# KiCad board oresat-acs-card.kicad_pcb (continued)
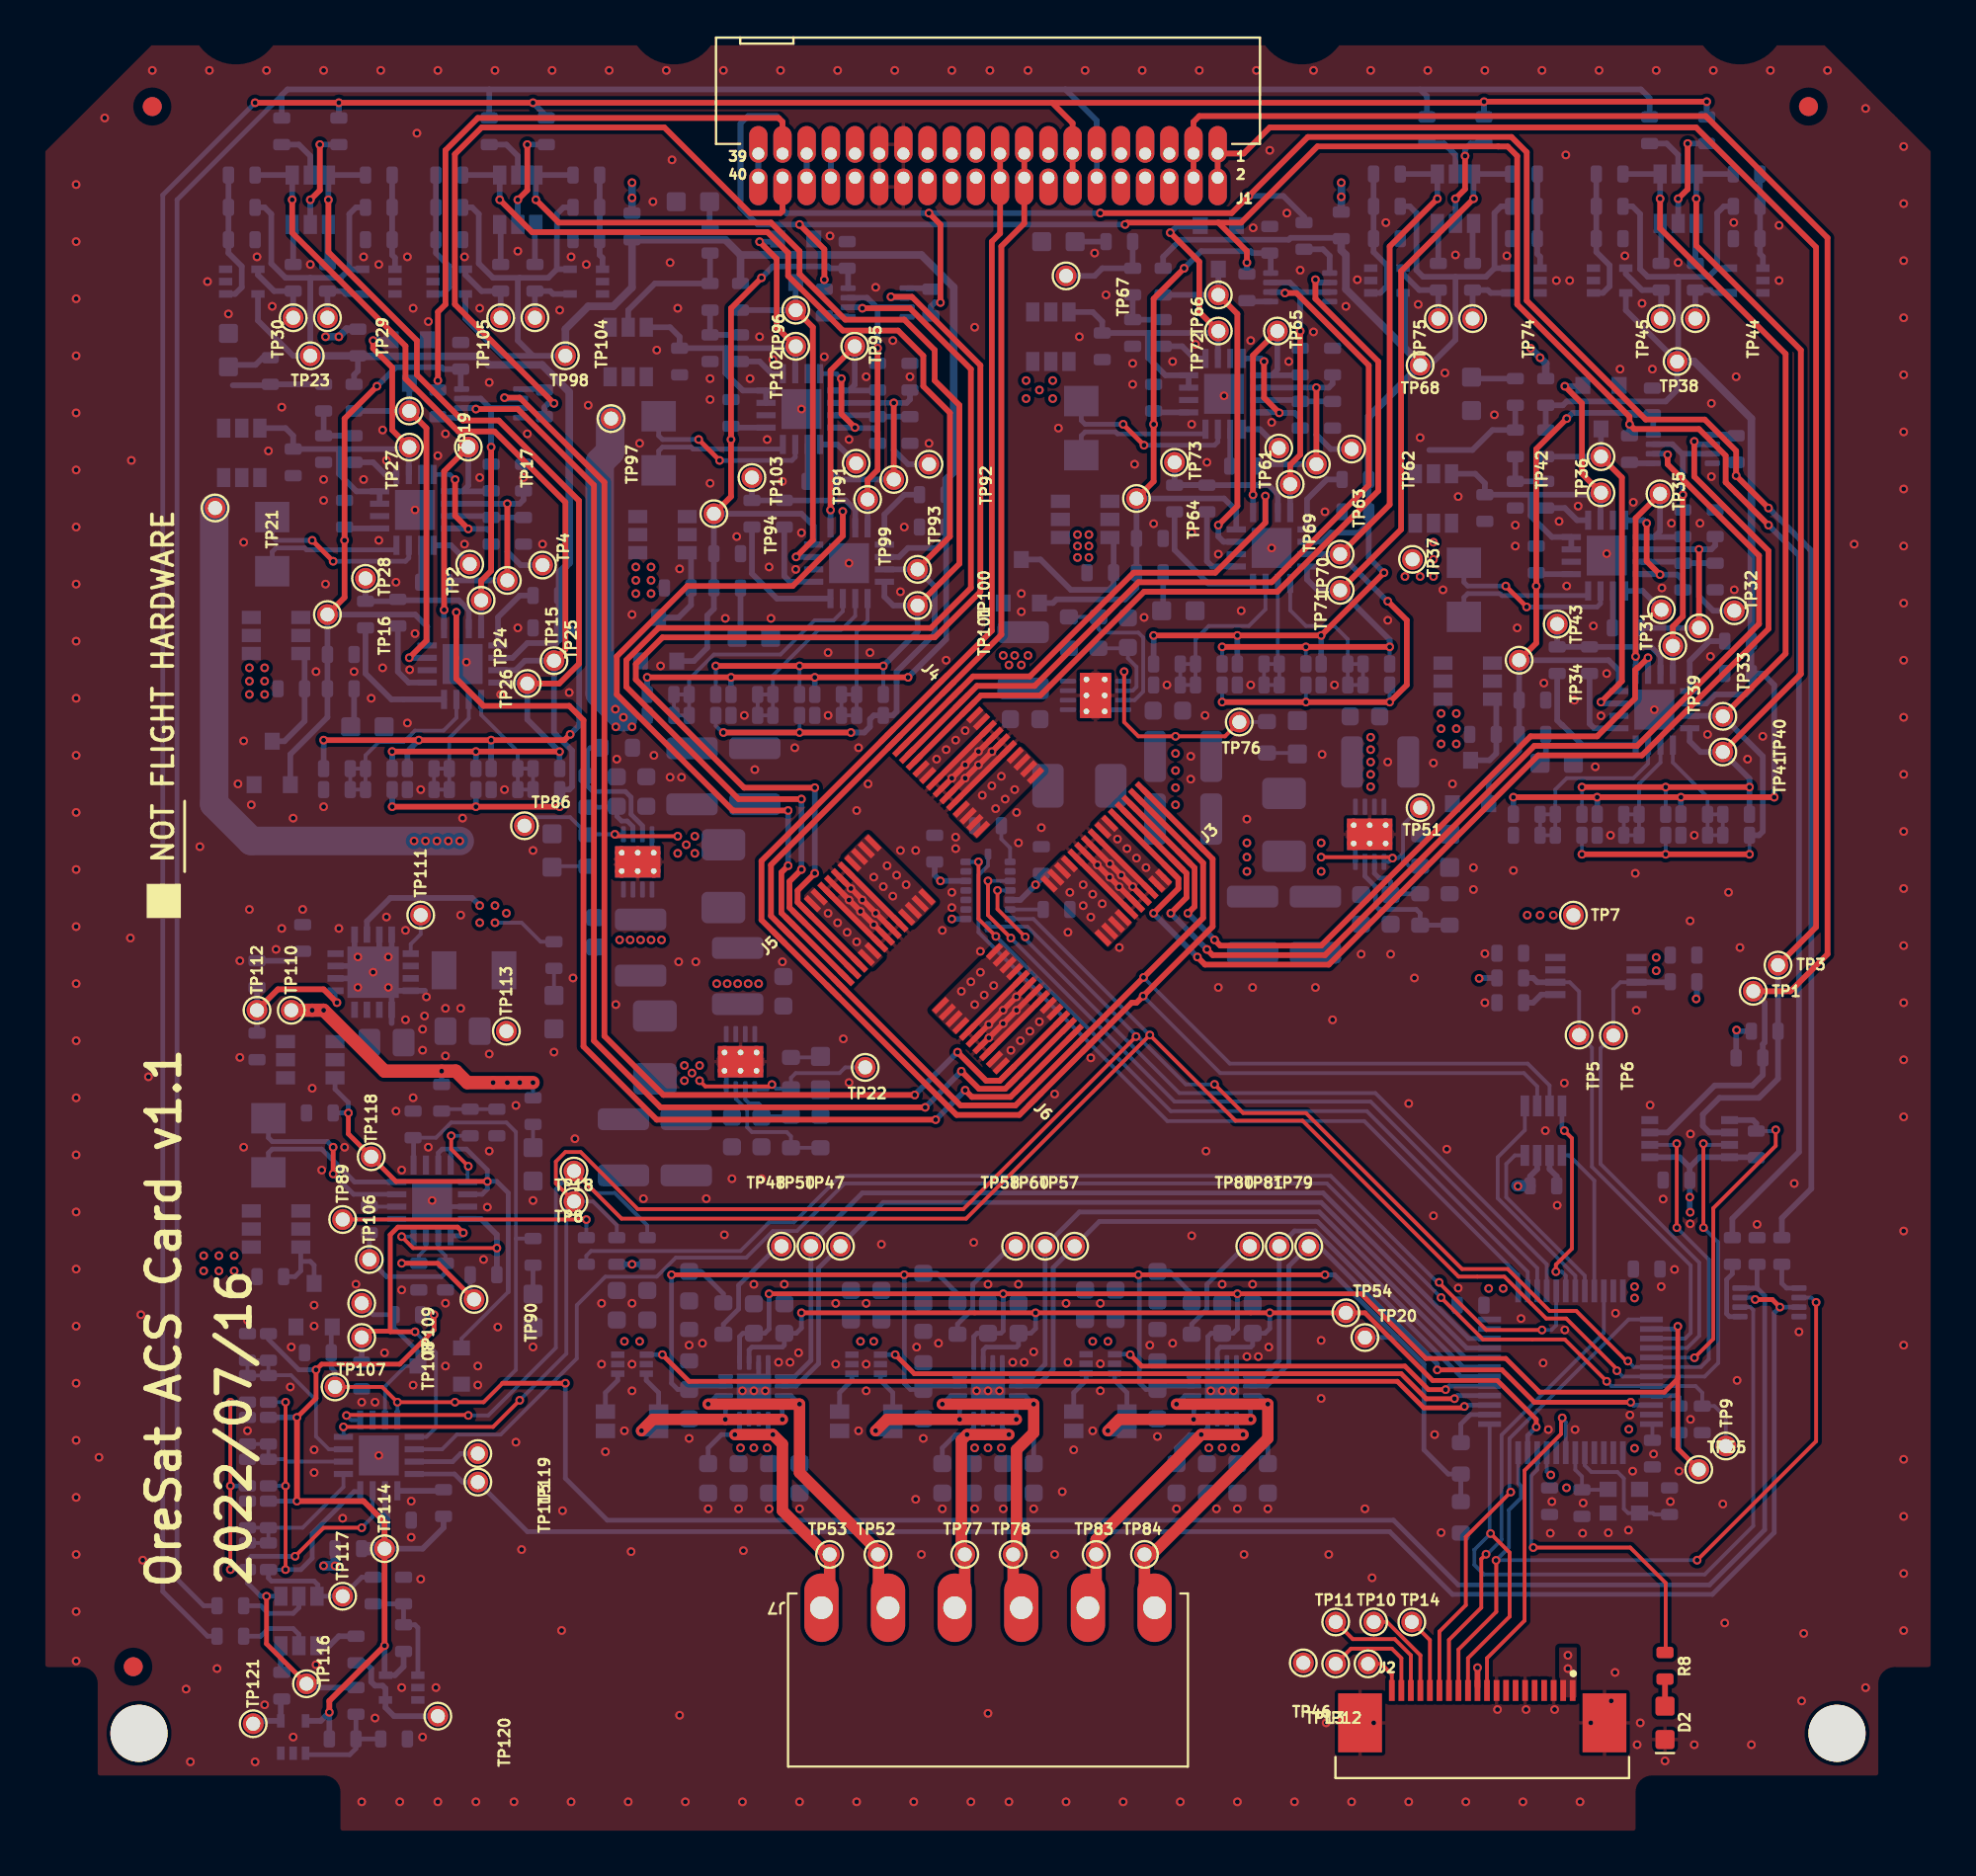
[diagram p0: board, top side]
## Nets (continued)
Net-(R175-Pad1): R175.1 R176.2 TP62.1 U18.11
Net-(R175-Pad2): R175.2 U18.8 U18.12
Net-(R179-Pad1): R179.1 U18.5
Net-(R182-Pad1): R182.1 TP74.1 U20.4
Net-(R183-Pad1): R183.1 R184.1 TP73.1 U17.11
Net-(R188-Pad1): R188.1 TP75.1 U19.4
Net-(R214-Pad1): R214.1 U29.13
Net-(R219-Pad1): R219.1 R220.2 TP106.1 U30.10
Net-(R219-Pad2): R219.2 U30.14
Net-(R221-Pad1): R221.1 R222.2 TP90.1 U30.11
Net-(R221-Pad2): R221.2 U30.8 U30.12
Net-(R225-Pad1): R225.1 U30.5
Net-(R227-Pad1): R227.1 R228.2 TP112.1 U31.5
Net-(R244-Pad1): R244.1 U25.13
Net-(R249-Pad1): R249.1 R250.2 TP93.1 U26.10
Net-(R249-Pad2): R249.2 U26.14
Net-(R251-Pad1): R251.1 R252.2 TP92.1 U26.11
Net-(R251-Pad2): R251.2 U26.8 U26.12
Net-(R255-Pad1): R255.1 U26.5
Net-(R258-Pad1): R258.1 TP104.1 U28.4
Net-(R259-Pad1): R259.1 R260.1 TP103.1 U25.11
Net-(R264-Pad1): R264.1 TP105.1 U27.4
Net-(R268-Pad1): R268.1 TP120.1 U33.4
Net-(R272-Pad1): R272.1 TP121.1 U32.4
Net-(TP10-Pad1): J2.17 TP10.1
Net-(TP11-Pad1): J2.18 TP11.1
Net-(TP12-Pad1): J2.19 TP12.1
Net-(TP13-Pad1): J2.20 TP13.1
Net-(TP14-Pad1): J2.16 TP14.1
Net-(TP24-Pad1): TP24.1 U5.12 U40.3 U40.7
Net-(TP39-Pad1): TP39.1 U9.12 U38.3 U38.7
Net-(TP69-Pad1): TP69.1 U17.12 U39.3 U39.7
Net-(TP99-Pad1): TP99.1 U25.12 U37.3 U37.7
Net-(TP111-Pad1): TP111.1 U31.13
Net-(TP115-Pad1): TP115.1 U29.12 U41.3 U41.7
Net-(TP119-Pad1): TP119.1 U29.11

Pads without a net: FIDUCIAL1 FIDUCIAL; FIDUCIAL2 FIDUCIAL; FIDUCIAL3 FIDUCIAL; FIDUCIAL4 FIDUCIAL; FIDUCIAL5 FIDUCIAL; FIDUCIAL6 FIDUCIAL; J2 4 5 7 8; U6 2; U7 3; U8 3; U10 2; U11 3; U12 3; U13 2 5 14; U15 2 3 4; U18 2; U19 3; U20 3; U24 4; U26 2; U27 3; U28 3; U30 2; U32 3; U33 3; U34 4; U35 4; U36 4

## Via types
v1: diameter 0.457, hole 0.254, Top to Bottom, 1060 vias

## Routing (per net, layer and track width the routed paths; a pad name or vN(x,y) marks a point on that pad's centre or on a via; arc(x,y) is an arc through that point)
3.3V: length 52.9
  Top w0.3: 75.61,7.95 v1(75.61,8.95)
  In1.Cu w0.3: v1(52.4,50.1) 51.9,49.6 51.9,48.3 ; v1(47.4,50.3) 48.4,50.3 49.5,49.2 51,49.2 51.9,48.3 ; 51.9,48.3 v1(48,48.3) ; 51.9,48.3 55.85,44.35
  Bottom w0.2: U15.9 79.25,19.25 79.4,19.1 ; C28.2 84.8,21.7 U15.48 ; R199.2 26.4,47.1 25.4,48.1 v1(24,48.1)
  Bottom w0.3: C4.1 52.7,50.4 v1(52.4,50.1) 51.6,49.3 U13.11 ; C16.1 47.1,50.6 v1(47.4,50.3) U13.3 ; R12.2 v1(31.2,30.15) R11.2 ; 75.64,45.2 R1.2 ; 86.76,35.25 87.28,35.78 U2.8 90.23,35.78 R10.1 ; 86.76,35.25 86.23,35.78 U2.1 ; 86.76,35.25 86.76,34.58 C3.1 v1(86.76,33.68) 86.76,32.91 v1(86.79,32.89) ; U13.7 v1(48,48.3) ; R13.1 89.2,42.4 R6.1 ; C37.2 78.38,34.78 78.75,35.15 U14.3 ; U31.10 17.28,48.18 18.5,49.4 22.8,49.4 v1(23.2,49) ; R3.2 87.14,44.14 v1(87.1,44.1)
  Bottom w0.6: C37.2 77.68,34.28
  vias: v1(23.2,48.1) v1(24,49) v1(24.6,48.6) v1(30.8,26.1) v1(31.6,26.1) v1(43.2,26.1) v1(43.9,26.1) v1(55.4,26.1) v1(56.2,26.1) v1(75.7,45.18) v1(76.2,28.88) v1(76.96,28.88) v1(77.74,34.25) v1(79.46,19.08) v1(80.29,18.4) v1(83.56,21.48) v1(83.86,28.98) v1(83.86,28.38) v1(83.86,20.48) v1(85,46.28) v1(85,45.58) v1(89.22,42.46)
5V_Q1: length 9.1
  Top w0.2: v1(71.15,51.5) 71.1,51.55 v1(67.4,51.55)
  Top w0.3: 59.12,50.49 J3.P$6
  Bottom w0.2: 71.7,51.75 71.7,53.25 TP51.1 ; 71.7,51.75 71.45,51.5 v1(71.15,51.5) 70.95,51.3 U24.5 ; 71.7,51.75 71.7,51.4 72.03,51.08 72.6,51.08
  vias: v1(56.7,52.5) v1(57.2,52) v1(57.7,51.5) v1(58.2,51) v1(63.5,52.3) v1(63.5,51.55) v1(63.5,50.8) v1(67.4,52.3) v1(67.4,50.8)
5V_Q2: length 11.3
  Top w0.2: TP76.1 62.35,57.9 v1(59.75,57.9) 57.8,57.9 57.05,58.65 v1(57.05,61.3)
  Bottom w0.2: R31.1 64.53,58.65 TP76.1 ; U34.5 57.05,60.85 v1(57.05,61.3)
  vias: v1(47.2,56.7) v1(47.7,57.2) v1(48.2,57.7) v1(48.7,58.2) v1(59.75,57) v1(59.75,56.1) v1(59.75,55.2) v1(59.75,54.3)
5V_Q3: length 9.1
  Top w0.2: v1(33.6,52.65) 30.4,52.65 v1(30.3,52.75)
  Bottom w0.2: U35.5 v1(30.3,52.75) 28.88,52.75 R34.1 28.85,52.75 27.95,53.65 26,53.65 TP86.1
  vias: v1(33.6,51.75) v1(34.05,52.2) v1(34.5,52.65) v1(34.5,51.75) v1(41.5,48.6) v1(42,48.1) v1(42.5,47.6) v1(43,47.1)
5V_Q4: length 10.8
  Top w0.2: v1(38.55,39.6) 38.45,39.5 35.05,39.5 v1(34.75,39.8)
  Bottom w0.2: TP22.1 42.4,40.5 42.1,40.2 39.8,40.2 39.55,39.95 R37.1 38.78,39.38 v1(38.55,39.6) 38.3,39.35 U36.5
  vias: v1(33.95,40.6) v1(33.95,39.8) v1(34.35,40.2) v1(34.75,40.6) v1(51.1,41.4) v1(51.6,41.9) v1(52.1,42.4) v1(52.6,42.9)
GND: length 102
  Top w0.3: J3.P$20 J3.P$11 ; J6.P$8 J6.P$23 ; J5.P$22 J5.P$9 ; J4.P$21 48.7,55.69 v1(48.7,55.7) v1(49.4,56.4) 49.41,56.4 v1(50.11,57.09) J4.P$10 ; J6.P$22 v1(51.4,43.5) v1(50.7,42.8) v1(49.95,42.05) J6.P$9 ; J5.P$10 J5.P$21 ; J3.P$10 v1(56.79,49.99) v1(56.29,50.49) v1(55.64,51.14) J3.P$21 ; J4.P$22 48,55.69 v1(48,55.7) v1(48.7,56.4) v1(49.4,57.1) 49.41,57.1 J4.P$9 ; J4.P$23 J4.P$8 ; J3.P$8 J3.P$23 ; J4.P$11 J4.P$20 ; J6.P$21 v1(51.39,44.21) v1(50.69,43.51) v1(49.94,42.76) J6.P$10 ; J6.P$20 J6.P$11 ; J5.P$8 J5.P$23 ; J3.P$9 57.5,49.99 v1(57.5,50) v1(56.9,50.6) v1(56.3,51.2) 56.29,51.2 J3.P$22 ; J5.P$11 J5.P$20
  Bottom w0.25: v1(50.5,23.5) 50.65,23.65 U16.16 ; U3.7 37.35,23.25 v1(37.6,23.5) 37.85,23.75 U3.15 ; U34.9 56.12,59.3 U34.8 ; U24.8 69.2,52.3 69.15,52.35 ; U22.7 61.95,23.25 v1(62.2,23.5) 62.45,23.75 U22.15 ; U3.16 38.35,23.65 v1(38.2,23.5) ; U36.9 36.15,40.23 U36.8 ; U16.7 49.65,23.25 v1(49.9,23.5) 50.15,23.75 U16.15 ; U30.7 21.03,33.18 v1(20.7,33.5) ; v1(62.8,23.5) 62.95,23.65 U22.16 ; U35.8 32.25,51.87 U35.9
  Bottom w0.3: 15.62,45.83 17.28,45.83 v1(17.6,45.5) ; 18.58,44.53 U31.16 20.32,44.53 ; 18.58,44.53 U31.1 18.58,42.83 ; 18.58,44.53 v1(17.6,45.5) ; v1(17.6,45.5) 17.93,45.83 U31.11 ; v1(17.6,45.5) 18.58,46.48 U31.12 ; v1(17.6,45.5) 17.28,45.18 15.62,45.18 ; v1(17.6,45.5) 16.62,46.48 16.62,47.48 ; U14.2 79.4,35.15 79.78,34.78 C37.1
  vias: v1(2,86.9) v1(2,83.9) v1(2,80.9) v1(2,77.9) v1(2,74.9) v1(2,71.9) v1(2,68.9) v1(2,65.9) v1(2,62.9) v1(2,59.9) v1(2,56.9) v1(2,53.9) v1(2,50.9) v1(2,47.9) v1(2,44.9) v1(2,41.9) v1(2,38.9) v1(2,35.9) v1(2,32.9) v1(2,29.9) v1(2,26.9) v1(2,23.9) v1(2,20.9) v1(2,17.9) v1(2,14.9) v1(2,11.9) v1(2,9.3) v1(3.2,20) v1(3.5,90.4) v1(4.9,72.4) v1(4.85,47.3) v1(5.4,27.5) v1(5.5,14.6) v1(5.8,40) v1(6,92.9) v1(7.78,7.83) v1(8,4) v1(8.5,52.1) v1(8.9,81.8) v1(9,92.9) v1(9.4,8.9) v1(10,80.1) v1(10.5,55.4) v1(10.6,46.1) v1(10.6,41.02) v1(10.8,68.1) v1(10.8,57.66) v1(10.8,36.3) v1(11,27.2) v1(11,21.4) v1(11,17) v1(11.1,48.8) v1(11.2,54.3) v1(11.4,4) v1(11.5,83.1) v1(11.9,7) v1(12,92.9) v1(12.1,72.9) v1(12.3,80.5) v1(12.5,46.7) v1(12.8,75.2) v1(12.8,47.8) v1(13.25,23.7) v1(13.3,25.8) v1(13.4,53.6) v1(13.4,5.3) v1(13.9,48.8) v1(14.3,82.7) v1(14.4,39.4) v1(14.5,28) v1(14.5,26.9) v1(14.5,20.4) v1(14.5,19.2) v1(14.6,61.3) v1(14.6,9.1) v1(14.9,35.1) v1(15,92.9) v1(15,71.4) v1(15,70.3) v1(15,54.2) v1(15.1,65.9) v1(15.8,47.8) v1(16,16.8) v1(16.1,36.3) v1(16.6,61.3) v1(16.7,29.1) v1(16.8,46.3) v1(16.8,44.7) v1(17,22.9) v1(17,1.9) v1(17.1,83.1) v1(17.1,71.4) v1(17.5,59.9) v1(17.7,22.9) v1(17.7,6.3) v1(17.9,82.7) v1(17.9,68.2) v1(17.9,20.1) v1(18,92.9) v1(18.1,74) v1(18.1,61.5) v1(18.2,25.5) v1(18.3,72.4) v1(18.3,48.4) v1(18.4,46.3) v1(18.4,44.7) v1(18.8,66) v1(18.8,38.2) v1(19,1.9) v1(19.1,35.1) v1(19.1,28.8) v1(19.1,7.9) v1(19.3,47.7) v1(19.3,43) v1(19.4,83.1) v1(19.4,58.6) v1(19.52,61.4) v1(19.6,17.7) v1(19.6,15.8) v1(19.7,80.4) v1(19.7,38.9) v1(19.7,23.8) v1(19.8,69.8) v1(19.8,63.3) v1(19.9,89.6) v1(20.1,55.1) v1(20.1,13.6) v1(20.2,42.5) v1(20.2,41.4) v1(20.2,5.3) v1(20.3,43.2) v1(20.4,44.2) v1(20.5,79.7) v1(20.5,36.3) v1(20.9,7.9) v1(21,92.9) v1(21,72.65) v1(21,1.9) v1(21.4,73.8) v1(21.4,43.6) v1(21.4,41.1) v1(21.4,28.1) v1(21.4,24.8) v1(22.2,48.5) v1(22.2,43.6) v1(22.3,53.6) v1(22.4,83.1) v1(22.4,68) v1(22.5,61.8) v1(23,1.9) v1(23.1,24.8) v1(23.1,23.8) v1(23.2,80.4) v1(23.2,71.5) v1(23.4,30.4) v1(23.6,33.15) v1(23.7,76.5) v1(23.7,41.2) v1(23.7,36.1) v1(24,92.9) v1(24.15,26.85) v1(24.3,60.1) v1(24.5,55.1) v1(25,1.9) v1(25.1,38.5) v1(25.1,20.8) v1(25.2,83.4) v1(25.2,63.6) v1(25.4,15.16) v1(25.5,71.5) v1(25.7,73.8) v1(26,51.9) v1(26,33.5) v1(26,25.8) v1(26.5,68) v1(27,92.9) v1(27.1,41.3) v1(27.4,80.3) v1(27.5,10.9) v1(27.55,17.2) v1(27.9,60.2) v1(28,83.1) v1(28,1.9) v1(28.1,45.2) v1(28.2,36.75) v1(28.8,82.7) v1(28.9,75.3) v1(29.6,28.1) v1(29.6,24.9) v1(29.8,20.3) v1(30,92.9) v1(30.35,43.8) v1(30.4,56.7) v1(30.8,21.4) v1(31,1.9) v1(31.2,64.3) v1(31.2,28.1) v1(31.2,24.9) v1(31.2,23.5) v1(31.15,15.05) v1(31.6,73.3) v1(31.8,33.6) v1(32.3,86) v1(32.35,56.9) v1(32.5,78.2) v1(32.7,61.6) v1(33,92.9) v1(33.2,82.8) v1(33.2,55.75) v1(33.3,88.2) v1(33.6,80.4) v1(33.65,46.05) v1(33.7,66.7) v1(33.7,6.45) v1(33.8,55.75) v1(34,1.9) v1(34.2,25.9) v1(34.2,21) v1(34.55,46.05) v1(34.9,26) v1(35.1,33.6) v1(35.2,17.3) v1(35.3,76.7) v1(35.3,75.6) v1(35.3,71.2) v1(36,92.9) v1(36.1,64.1) v1(36.05,31.7) v1(36.45,34.65) v1(36.7,68.4) v1(36.8,17.3) v1(37,23.5) v1(37,1.9) v1(37.1,59) v1(37.05,15.1) v1(37.4,76.7) v1(37.65,56.15) v1(37.6,29.1) v1(37.9,78.9) v1(38,34.65) v1(38.3,73.5) v1(38.4,66.8) v1(38.4,17.3) v1(38.5,64.1) v1(38.6,77.7) v1(38.9,25) v1(39,92.9) v1(39.1,71.3) v1(39.1,46.05) v1(39.2,29.1) v1(39.5,25) v1(39.75,57.3) v1(39.8,66.68) v1(39.95,25.5) v1(40,17.3) v1(40,1.9) v1(40.1,75.1) v1(40.1,68.6) v1(41.3,77.85) v1(41.5,62.3) v1(41.5,59) v1(41.6,84.2) v1(41.9,28.1) v1(41.9,24.9) v1(42,92.9) v1(42.3,42) v1(42.6,73.5) v1(42.6,67) v1(42.6,49.3) v1(42.6,39.7) v1(42.7,49.9) v1(43,54) v1(43,1.9) v1(43.1,57.3) v1(43.1,21.4) v1(43.2,48.7) v1(43.3,49.3) v1(43.5,76.8) v1(43.5,28.1) v1(43.5,24.9) v1(43.5,23.5) v1(43.6,55.4) v1(43.7,62.3) v1(43.9,48) v1(44,81.5) v1(44,48.6) v1(44.3,31.2) v1(44.9,78.7) v1(45,92.9) v1(45.3,65.5) v1(45.3,51.9) v1(45.5,68.9) v1(45.8,76.8) v1(46,1.9) v1(46.1,51.9) v1(46.1,17.8) v1(46.15,25.8) v1(46.4,14.9) v1(46.5,21) v1(46.8,73.3) v1(47.3,26) v1(47.5,47.7) v1(47.5,17.3) v1(47.7,61.9) v1(48,92.9) v1(48,49.7) v1(48,48.9) v1(48.2,52.6) v1(48.2,52) v1(49,1.9) v1(49.2,79.4) v1(49.15,31.3) v1(49.2,17.3) v1(49.3,23.5) v1(49.5,46.6) v1(49.9,29.1) v1(49.9,6.55) v1(50,92.9) v1(50.7,17.3) v1(51,1.9) v1(51.2,25) v1(51.4,53.9) v1(51.5,52.3) v1(51.5,29.1) v1(51.65,65.4) v1(51.65,64.45) v1(51.8,25) v1(52,92.9) v1(52.3,25.55) v1(52.3,17.3) v1(52.7,53.1) v1(53.4,39.1) v1(53.4,14.9) v1(53.6,74.1) v1(53.8,18.2) v1(54,28.1) v1(54,1.9) v1(54.1,47.6) v1(54.1,25) v1(54.4,20.4) v1(54.7,78.9) v1(55,92.9) v1(55.3,41) v1(55.4,21.4) v1(55.5,83.3) v1(55.8,28.1) v1(55.8,24.92) v1(55.8,23.5) v1(56.1,81.1) v1(56.8,46.8) v1(57,1.9) v1(57.5,77.5) v1(57.5,76.4) v1(57.6,72.2) v1(58,92.9) v1(58.1,64.15) v1(58.4,25.9) v1(58.6,69.08) v1(58.8,21.1) v1(59.3,60.6) v1(59.6,77.6) v1(59.6,26) v1(59.8,17.3) v1(60,1.9) v1(60.6,74.3) v1(60.6,68.6) v1(60.55,56.85) v1(60.55,55.65) v1(60.6,31.65) v1(60.8,78.5) v1(61,92.9) v1(61.3,59) v1(61.35,36.1) v1(61.4,72.3) v1(61.6,23.5) v1(61.9,17.3) v1(62,67.48) v1(62,44.7) v1(62.2,29.1) v1(62.3,75.8) v1(63,17.3) v1(63,1.9) v1(63.2,64.5) v1(63.35,14.9) v1(63.5,53.55) v1(63.5,25.3) v1(63.7,78.7) v1(63.7,60.6) v1(63.83,84.63) v1(63.8,44.7) v1(63.8,29.1) v1(64,92.9) v1(64.1,25.3) v1(64.65,25.8) v1(64.6,17.3) v1(64.7,88.7) v1(64.8,74.4) v1(64.8,67.8) v1(65.6,85.4) v1(65.7,77.6) v1(66,1.9) v1(66.3,82.4) v1(67,92.9) v1(67,79.16) v1(67.1,44.7) v1(67.4,26.15) v1(67.4,23.1) v1(67.45,56.95) v1(67.6,69.7) v1(67.66,6.05) v1(67.8,14.9) v1(68,43) v1(68.1,60.6) v1(68.7,80.5) v1(69,1.9) v1(69.3,81.9) v1(69.5,46.45) v1(69.7,17.3) v1(70,92.9) v1(70.08,13.68) v1(70.16,6.05) v1(70.8,84.9) v1(70.9,64) v1(70.9,56.55) v1(71.05,46.45) v1(72,38.6) v1(72,1.9) v1(72.3,45.2) v1(72.5,80.6) v1(72.6,73.6) v1(73,92.9) v1(73.3,56.5) v1(73.3,32.7) v1(73.36,21.2) v1(73.7,16.05) v1(73.8,65.6) v1(73.9,77) v1(74,36.2) v1(74.3,55.4) v1(74.46,83.2) v1(74.6,70.5) v1(74.6,28.9) v1(75,1.9) v1(75.4,51) v1(75.4,49.85) v1(76,92.9) v1(76,46.48) v1(76,43.9) v1(76.5,74.8) v1(76.66,6.75) v1(77.16,83.16) v1(77.5,50.85) v1(77.6,69) v1(77.6,67.9) v1(77.7,63.6) v1(77.9,27.3) v1(78,1.9) v1(78.16,6.75) v1(79,92.9) v1(79.1,60.7) v1(79.06,24.96) v1(79.18,37.18) v1(79.34,21.46) v1(79.44,16.01) v1(79.52,17.68) v1(79.66,6.75) v1(79.75,81.86) v1(79.8,33.25) v1(79.9,69.2) v1(80.18,39.68) v1(80.2,26.7) v1(80.25,88.46) v1(80.3,65.8) v1(80.46,81.86) v1(80.7,59.8) v1(80.74,21.46) v1(80.9,70) v1(81,1.9) v1(81.14,16.01) v1(81.16,17.6) v1(81.56,6.05) v1(81.7,63.7) v1(81.8,56.3) v1(82,92.9) v1(82.1,58.98) v1(82.4,67.5) v1(82.4,61.2) v1(82.49,16.04) v1(82.6,52.7) v1(82.64,7.2) v1(82.84,8.7) v1(82.86,27.58) v1(83.1,77.2) v1(83.36,83.16) v1(83.54,16.18) v1(83.62,22.23) v1(83.8,70.2) v1(83.76,19.28) v1(83.9,50.7) v1(83.95,43.5) v1(84,4.9) v1(84.16,6.05) v1(84.25,80.66) v1(84.68,38.52) v1(84.8,77.2) v1(84.9,59.3) v1(84.86,20.18) v1(85,92.9) v1(85.3,65.7) v1(85.26,28.98) v1(85.36,33.58) v1(85.46,4.05) v1(85.74,17.68) v1(85.8,69.1) v1(85.96,29.88) v1(86.16,82.8) v1(86.2,19.28) v1(86.78,48.2) v1(86.8,37) v1(86.79,32.28) v1(86.8,22) v1(87,52.7) v1(87,4.9) v1(87.3,69.1) v1(87.7,58) v1(87.85,62.1) v1(87.9,75.4) v1(87.9,71.55) v1(88,92.9) v1(88.5,17.55) v1(88.6,11.3) v1(88.8,49.7) v1(89.08,84.91) v1(89.1,65.6) v1(89.2,76.8) v1(89.25,24.05) v1(89.4,46.8) v1(89.8,56.7) v1(90,4.9) v1(90.3,32.25) v1(90.6,57.9) v1(91,92.9) v1(91.46,84.76) v1(91.46,81.86) v1(92.25,34.4) v1(92.5,26.6) v1(92.64,7.2) v1(92.75,10.75) v1(94,92.9) v1(95.4,68) v1(96,90.9) v1(96,7.9) v1(98,88.9) v1(98,85.9) v1(98,82.9) v1(98,79.9) v1(98,76.9) v1(98,73.9) v1(98,70.9) v1(98,67.9) v1(98,64.9) v1(98,61.9) v1(98,58.9) v1(98,55.9) v1(98,52.9) v1(98,49.9) v1(98,46.9) v1(98,43.9) v1(98,40.9) v1(98,37.9) v1(98,31.9) v1(98,25.9) v1(98,19.9) v1(98,16.9) v1(98,13.9) v1(98,10.9)
VBUS:
  vias: v1(8.7,30.6) v1(8.7,29.8) v1(9.5,30.6) v1(9.5,29.8) v1(10.3,30.6) v1(10.3,29.8) v1(11.1,61.5) v1(11.1,60.8) v1(11.1,60.1) v1(11.9,61.5) v1(11.9,60.8) v1(11.9,60.1) v1(31.4,66.8) v1(31.4,66.1) v1(31.4,65.4) v1(32.2,66.8) v1(32.2,66.1) v1(32.2,65.4) v1(54.6,68.5) v1(54.6,67.9) v1(54.6,67.3) v1(55.2,68.5) v1(55.2,67.9) v1(55.2,67.3) v1(73.7,59.1) v1(73.7,58.3) v1(73.7,57.5) v1(74.5,59.1) v1(74.5,58.3) v1(74.5,57.5)
VBUSP: length 17.7
  Top w0.7: TP110.1 v1(14.4,43.5) v1(15,43.5) 18.2,40.3 v1(21.2,40.3) 21.95,40.3 22.55,39.7 v1(23.9,39.7) v1(24.65,39.7) v1(25.3,39.7) v1(26,39.7)
  Bottom w0.2: R198.2 v1(26,39.7)
  Bottom w0.25: v1(21.2,40.3) C44.2
  Bottom w0.3: R227.2 13.4,46.1
  vias: v1(36.9,20.5) v1(37.6,20.5) v1(38.3,20.5) v1(49.2,20.5) v1(49.9,20.5) v1(50.6,20.5) v1(61.5,20.5) v1(62.2,20.5) v1(62.9,20.5) v1(80.36,9.6) v1(80.36,8.9)
VBUSP_Q1: length 15.5
  In1.Cu w1.5: 72.2,67.3 72.2,59.2 71.4,58.4
  Bottom w0.3: R77.2 C12.2 76.4,74 75.35,72.95 73.08,72.95
  vias: v1(54.2,49.7) v1(54.9,50.1) v1(54.9,49) v1(55.3,48.4) v1(55.4,49.6) v1(55.9,49.1) v1(70,57.85) v1(70,57.2) v1(70,56.55) v1(70,55.9) v1(70,55.25) v1(71.8,66.3) v1(72.6,66.3) v1(73.3,68.1) v1(73.3,67.2) v1(73.3,66.3)
VBUSP_Q2: length 14.5
  In1.Cu w1.5: 49.2,67.5 49.2,70.1 52.25,73.15 52.25,75.65
  Bottom w0.3: R153.2 C22.2 55.9,82.5 55.5,82.1 TP67.1
  vias: v1(49.6,54.8) v1(50.1,55.3) v1(50.3,54.1) v1(50.6,55.8) v1(50.7,62.15) v1(50.8,54.6) v1(51,61.65) v1(51.3,62.15) v1(51.3,55.1) v1(51.65,61.65) v1(51.9,76.6) v1(51.9,75.65) v1(52,62.15) v1(52.6,76.1) v1(53.3,76.6) v1(53.3,75.65)
VBUSP_Q3: length 55.6
  In1.Cu w1.5: 29.53,58.77 29.15,58.39 29.15,49.15 v1(31.1,47.2) v1(32.75,47.2) 40.65,47.2 42.05,45.8 43.7,45.8 45.4,47.5 45.4,49.65 44.3,50.75
  Bottom w0.3: R229.2 C32.2 32.4,81.7 31,80.3 Q31.2
  Bottom w1.5: 30.05,74.55 30.05,72.85 29.5,72.3 29.5,60.15 v1(30.33,59.33) v1(30.75,58.9)
  vias: v1(30.35,58.4) v1(30.55,47.2) v1(31.2,58.4) v1(31.65,47.2) v1(32.2,47.2) v1(43.9,50.5) v1(44.4,50) v1(44.6,51.1) v1(44.9,49.5) v1(45.1,50.6) v1(45.6,50.1)
VBUSP_Q4: length 68
  In1.Cu w1.5: v1(19.75,52.4) 23.3,52.4 30.8,44.9 v1(35.65,44.9) 39.25,44.9 40.95,43.2 44.7,43.2 46.1,44.6 49.3,44.6
  Bottom w0.3: C7.2 R39.2 12.15,76.35 10.23,76.35
  Bottom w1.5: v1(22.15,52.4) 11.2,52.4 9.25,54.35 9.25,69.92
  vias: v1(20.35,52.4) v1(20.95,52.4) v1(21.55,52.4) v1(36.2,44.9) v1(36.75,44.9) v1(37.3,44.9) v1(37.85,44.9) v1(48.5,44.5) v1(49,45) v1(49.2,43.8) v1(49.5,45.5) v1(49.7,44.3) v1(50.2,44.8)
/Q1 Power Domain/AD0_Q1: length 8.2
  Bottom w0.2: R79.1 R81.2 R80.2 R82.1 R79.1 ; R79.1 87.7,54.7 85.88,56.53 U9.1
/Q1 Power Domain/AD1_Q1: length 7.9
  Bottom w0.2: R86.1 R84.2 R85.2 R83.1 R86.1 ; R86.1 84.1,55.4 85.22,56.53 U9.2
/Q1 Power Domain/AD2_Q1: length 11.5
  Bottom w0.2: R90.1 R88.2 R89.2 R87.1 R90.1 ; R90.1 79.7,55.1 80.3,55.7 83.8,55.7 84.58,56.48 U9.3
/Q1 Power Domain/CB-RESET_Q1: length 14.6
  Top w0.3: TP35.1 83.92,69.36 v1(83.92,62.09)
  Bottom w0.3: R96.2 86.38,68.38 84.9,68.38 ; TP35.1 85.2,68.68 84.9,68.38 ; U9.9 83.93,62.09 v1(83.92,62.09) ; 84.26,68.38 84.9,68.38
/Q1 Power Domain/CB_CTRL_Q1: length 21.9
  Top w0.3: TP42.1 81.1,71.7 81.1,75.4 v1(80.2,76.3)
  Bottom w0.3: v1(80.2,76.3) 81.1,76.3 Q14.1 ; 78.4,70.6 82,70.6 TP42.1 82.08,70.68 U10.6 ; 78.4,70.6 78.4,69.5 79.53,68.38 80.54,68.38 U10.3 ; 78.4,70.6 R101.1 76,71.2 75.5,71.7 Q11.3
/Q1 Power Domain/ON/~{OFF}_Q1: length 36.8
  Top w0.3: v1(80.3,74.6) 78.7,73 v1(78.7,65.8) 78.7,62.8 TP34.1
  Bottom w0.3: v1(80.3,74.6) 80.6,74.9 83.8,74.9 83.9,74.8 C84.2 84.85,74.75 U38.8 ; U9.8 83.04,61.36 82.5,61.9 TP34.1 R94.2 R105.2 77.8,57.15 76.2,55.55 Q13.1 ; v1(78.7,65.8) C13.1 78.78,66.43 U10.1
/Q1 Power Domain/PEN-SCL-FILT_Q1: length 55.8
  Top w0.3: TP40.1 91.8,62.25 91.8,78 85.21,84.6 v1(85.21,86.16) ; v1(81.1,51.7) v1(85.5,51.7) v1(89.9,51.7)
  Bottom w0.2: R84.1 v1(85.5,51.7) ; R88.1 v1(81.1,51.7) ; v1(89.9,51.7) R80.1
  Bottom w0.3: 85.21,87.36 v1(85.21,86.16) ; 85.21,87.36 85.11,87.46 R113.2 ; 85.21,87.36 Q15.4 ; U9.15 88.47,58.98 TP40.1 90.6,56.85 90.6,52.9 90.4,52.7 R80.1
/Q1 Power Domain/PEN-SDA-FILT_Q1: length 54.5
  Top w0.3: TP41.1 92.6,61.18 92.6,78.2 87.11,83.7 v1(87.11,86.16) ; v1(89.9,55.23) v1(85.5,55.23) v1(81.1,55.23)
  Bottom w0.2: R90.2 v1(81.1,55.23) ; R86.2 v1(85.5,55.23)
  Bottom w0.3: v1(87.11,86.16) Q15.6 R109.2 ; R82.2 v1(89.9,55.23) 89.9,55.68 TP41.1 87.33,57.08 86.76,57.64 U9.16
/Q1 Power Domain/POUT_Q1: length 2.3
  Bottom w0.3: TP31.1 84.28,65.54 U10.13
/Q1 Power Domain/~{FAULT_Q1}: length 19.1
  Top w0.3: v1(82.1,59.7) 83.2,60.8 83.2,71.5 TP36.1
  Bottom w0.3: R104.1 TP36.1 Q14.3 ; U9.7 82.18,59.63 v1(82.1,59.7)
/Q2 Power Domain/AD0_Q2: length 10.2
  Bottom w0.2: R155.1 R157.2 R156.2 R158.1 R155.1 ; R155.1 68.8,63 68.1,63.7 66.6,63.7 65.78,64.53 U17.1
/Q2 Power Domain/AD1_Q2: length 8.1
  Bottom w0.2: U17.2 65.12,61.78 R162.1 ; R162.1 R159.1 R161.2 R160.2 R162.1
/Q2 Power Domain/AD2_Q2: length 10.8
  Bottom w0.2: R166.1 R163.1 R165.2 R164.2 R166.1 ; R166.1 60.8,63 61.5,63.7 63.6,63.7 64.47,64.58 U17.3
/Q2 Power Domain/CB-RESET_Q2: length 14.7
  Top w0.3: TP65.1 63.82,77.92 v1(63.82,70.59)
  Bottom w0.3: R172.2 66.28,76.88 64.8,76.88 ; 64.8,76.88 64.16,76.88 ; 64.8,76.88 65.1,77.18 TP65.1 ; v1(63.82,70.59) 63.83,70.59 U17.9
/Q2 Power Domain/CB_CTRL_Q2: length 22.6
  Top w0.3: TP72.1 61,80.2 61,82.84 v1(59.47,84.37)
  Bottom w0.3: v1(59.47,84.37) 59.81,84.7 61,84.7 Q24.1 ; 58.3,79.1 R177.1 55.9,79.7 55.4,80.2 Q21.3 ; 58.3,79.1 58.3,77.8 59.22,76.88 60.44,76.88 U18.3 ; 58.3,79.1 61.9,79.1 TP72.1 61.97,79.18 U18.6
/Q2 Power Domain/ON/~{OFF}_Q2: length 38.3
  Top w0.3: TP64.1 58.6,71.3 v1(58.6,74.3) 58.6,80.9 v1(60.2,82.5)
  Bottom w0.3: U17.8 62.94,69.76 62.3,70.4 TP64.1 R170.2 R181.2 57.7,65.7 57.1,65.1 53.5,65.1 53.31,64.91 Q23.1 ; U18.1 58.68,74.93 C23.1 v1(58.6,74.3) ; U39.8 64.75,83.25 C85.2 63.8,83.3 63.7,83.4 61.1,83.4 v1(60.2,82.5)
/Q2 Power Domain/PEN-SCL-FILT_Q2: length 46.9
  Top w0.3: TP70.1 71,70.08 71,83.65 v1(73.5,86.16) ; v1(70.9,65) 71.9,64 71.9,60.6 v1(71,59.7) v1(66.6,59.7) v1(62.2,59.7)
  Bottom w0.2: R164.1 v1(62.2,59.7) ; v1(66.6,59.7) R160.1 ; R156.1 v1(71,59.7)
  Bottom w0.3: U17.15 TP70.1 70.88,65 v1(70.9,65) ; v1(73.5,86.16) 73.5,87.46 R189.2
/Q2 Power Domain/PEN-SDA-FILT_Q2: length 44.9
  Top w0.3: TP71.1 71.6,68.78 71.6,82.35 v1(75.41,86.16) ; v1(71,62.6) v1(66.6,62.6) v1(62.2,62.6)
  Bottom w0.2: R158.2 v1(71,62.6) ; R166.2 v1(62.2,62.6) ; R162.2 v1(66.6,62.6)
  Bottom w0.3: v1(71,62.6) 71,62.98 TP71.1 67.22,65.58 66.66,66.14 U17.16 ; R185.2 Q25.6 v1(75.41,86.16)
/Q2 Power Domain/POUT_Q2: length 2.3
  Bottom w0.3: U18.13 64.18,74.04 TP61.1
/Q2 Power Domain/~{FAULT_Q2}: length 18.8
  Top w0.3: v1(62,69) 63,70 63,80.1 TP66.1
  Bottom w0.3: R180.1 TP66.1 Q24.3 ; v1(62,69) 62,68.4 62.28,68.13 U17.7
/Q3 Power Domain/AD0_Q3: length 9.1
  Bottom w0.2: R234.1 43,63.4 43.58,63.98 43.58,65.14 ; R234.1 R231.1 R233.2 R232.2 R234.1
/Q3 Power Domain/AD1_Q3: length 11.3
  Bottom w0.2: U25.2 42.93,64.23 42.2,63.5 41,63.5 38.6,61.1 R238.1 ; R238.1 R236.2 R237.2 R235.1 R238.1
/Q3 Power Domain/AD2_Q3: length 14.8
  Bottom w0.2: R242.1 R239.1 R241.2 R240.2 R242.1 ; R242.1 34.2,60.9 35.5,62.2 39,62.2 40.8,64 41.8,64 42.28,64.48 U25.3
/Q3 Power Domain/CB-RESET_Q3: length 14.7
  Top w0.3: TP95.1 41.63,77.13 v1(41.63,69.79)
  Bottom w0.3: R248.2 44.08,76.08 42.6,76.08 ; TP95.1 42.9,76.38 42.6,76.08 ; U25.9 41.62,69.79 v1(41.63,69.79) ; 42.6,76.08 41.96,76.08
/Q3 Power Domain/CB_CTRL_Q3: length 21.9
  Top w0.3: TP102.1 38.8,79.4 38.8,82.99 v1(37.9,83.89)
  Bottom w0.3: v1(37.9,83.89) 38.7,83.89 Q34.1 ; 36.1,78.3 R253.1 33.7,78.9 33.2,79.4 Q31.3 ; 36.1,78.3 39.7,78.3 39.78,78.38 ; 36.1,78.3 36.1,77 37.03,76.08 38.24,76.08 U26.3 ; 39.78,78.38 TP102.1 ; 39.78,78.38 U26.6
/Q3 Power Domain/ON/~{OFF}_Q3: length 37.4
  Top w0.3: v1(38,82) 36.4,80.4 v1(36.4,73.5) 36.4,70.5 TP94.1
  Bottom w0.3: v1(38,82) 38.6,82.6 41.5,82.6 41.6,82.5 C83.2 42.55,82.45 U37.8 ; v1(36.4,73.5) C33.1 36.47,74.13 U26.1 ; U25.8 40.74,68.96 40.1,69.6 TP94.1 R246.2 R257.2 35.5,64.6 35.15,64.25 35.15,62.56 34.45,61.86 Q33.1
/Q3 Power Domain/PEN-SCL-FILT_Q3: length 64.3
  Top w0.3: v1(36,58.1) v1(40,58.1) v1(42.7,58.1) ; TP100.1 46.2,66.7 47.9,68.4 47.9,74.9 46.5,76.3 46.5,77.9 45.17,79.23 42.27,79.23 39.4,82.1 39.4,83.31 38.31,84.4 25.95,84.4 v1(24.25,86.1)
  Bottom w0.2: v1(36,58.1) 35.95,58.1 35.6,58.45 R240.1 ; v1(40,58.1) R236.1
  Bottom w0.3: U25.15 TP100.1 47.1,65.78 47.1,63.3 45.1,61.3 45.1,59.2 44.9,59 R232.1 43.9,59 43.7,58.8 43.7,58.4 43.4,58.1 v1(42.7,58.1) ; R265.2 Q35.4 v1(24.25,86.1)
/Q3 Power Domain/PEN-SDA-FILT_Q3: length 63
  Top w0.3: TP101.1 48.4,66.98 48.4,75.3 47.1,76.6 47.1,78.2 45.5,79.8 42.4,79.8 40,82.2 40,83.4 38.5,84.9 27.35,84.9 v1(26.15,86.1) ; v1(35.6,61.6) v1(40,61.6) v1(44.4,61.6)
  Bottom w0.2: R242.2 v1(35.6,61.6) ; v1(44.4,61.6) R234.2 ; v1(40,61.6) R238.2
  Bottom w0.3: 44.46,66.03 44.46,65.24 44.93,64.78 TP101.1 46.2,63.4 v1(44.4,61.6) ; R261.2 Q35.6 v1(26.15,86.1)
/Q3 Power Domain/POUT_Q3: length 2.3
  Bottom w0.3: TP91.1 41.98,73.24 41.08,73.24
/Q3 Power Domain/~{FAULT_Q3}: length 19
  Top w0.3: TP96.1 40.7,79.4 40.7,68.21 v1(39.82,67.33)
  Bottom w0.3: U25.7 39.83,67.33 v1(39.82,67.33) ; Q34.3 TP96.1 R256.1
/Q4 Power Domain/AD0_Q4: length 8.2
  Bottom w0.2: R41.1 R44.1 R42.2 R43.2 R41.1 ; R41.1 25.2,57.1 23.28,59.03 U5.1
/Q4 Power Domain/AD1_Q4: length 7.9
  Bottom w0.2: R48.1 R46.2 R47.2 R45.1 R48.1 ; R48.1 21.6,57.82 22.62,58.84 22.62,59.84
/Q4 Power Domain/AD2_Q4: length 11.1
  Bottom w0.2: R52.1 17.2,56.9 17.9,57.6 19.2,57.6 19.8,58.2 21.3,58.2 21.98,58.88 U5.3 ; R52.1 R50.2 R51.2 R49.1 R52.1
/Q4 Power Domain/CB-RESET_Q4: length 14.7
  Top w0.3: TP17.1 21.33,71.83 v1(21.33,64.54)
  Bottom w0.3: R58.2 23.78,70.78 22.3,70.78 ; U6.9 22.3,70.78 ; 22.3,70.78 22.6,71.08 TP17.1 ; 21.33,63.56 21.33,64.54 v1(21.33,64.54)
/Q4 Power Domain/CB_CTRL_Q4: length 22
  Top w0.3: TP27.1 18.61,73.99 18.61,77.29 17.6,78.29 v1(17.6,78.7)
  Bottom w0.3: 15.8,73 19.4,73 TP27.1 19.48,73.08 U6.6 ; 15.8,73 15.8,71.7 16.73,70.78 U6.4 U6.3 ; 15.8,73 R63.1 13.4,73.7 13,74.1 Q6.3 ; Q9.1 17.64,78.74 v1(17.6,78.7)
/Q4 Power Domain/ON/~{OFF}_Q4: length 37.8
  Top w0.3: v1(17.8,76.3) 16.1,74.6 v1(16.1,68.2) 16.1,65.2 TP16.1
  Bottom w0.3: Q8.1 13.25,56.95 15.2,58.9 R67.2 R56.2 TP16.1 19.81,64.3 20.44,63.67 U5.8 ; v1(17.8,76.3) 18.8,77.3 21.2,77.3 21.3,77.2 C86.2 22.2,76.2 U40.8 ; v1(16.1,68.2) C8.1 16.18,68.83 U6.1
/Q4 Power Domain/PEN-SCL-FILT_Q4: length 57.2
  Top w0.3: TP25.1 27.7,62.48 27.7,70.2 23.97,73.93 22.07,73.93 19.3,76.7 19.3,78.41 13.35,84.36 v1(13.35,86.1) ; v1(18.6,54.2) v1(23,54.2) v1(27.4,54.2)
  Bottom w0.3: U5.15 25.08,61.38 25.58,61.88 TP25.1 27.1,58.1 28.05,57.15 28.05,55.25 27.9,55.1 R42.1 v1(27.4,54.2) ; R75.2 Q10.4 v1(13.35,86.1) ; v1(23,54.2) R46.1 ; R50.1 v1(18.6,54.2)
/Q4 Power Domain/PEN-SDA-FILT_Q4: length 54.7
  Top w0.3: v1(27.39,57.09) 27.38,57.1 v1(23,57.1) v1(18.6,57.1) ; TP26.1 27.38,60.68 28.41,61.71 28.41,70.29 24.2,74.5 22.3,74.5 19.9,76.9 19.9,78.7 15.25,83.35 v1(15.25,86.1)
  Bottom w0.3: R52.2 v1(18.6,57.1) ; R44.2 27.39,56.21 v1(27.39,57.09) 25.7,58.78 TP26.1 25.65,60.73 24.16,60.73 ; v1(15.25,86.1) Q10.6 R71.2 ; v1(23,57.1) R48.2
/Q4 Power Domain/POUT_Q4: length 2.3
  Bottom w0.3: TP2.1 21.68,67.94 U6.13
/Q4 Power Domain/~{FAULT_Q4}: length 19
  Top w0.3: v1(19.5,62.03) 20.4,62.93 20.4,74.1 TP19.1
  Bottom w0.3: v1(19.5,62.03) 19.51,62.03 20.44,62.03 ; Q9.3 TP19.1 R66.1